# KiCad board ui.kicad_pcb (continued)
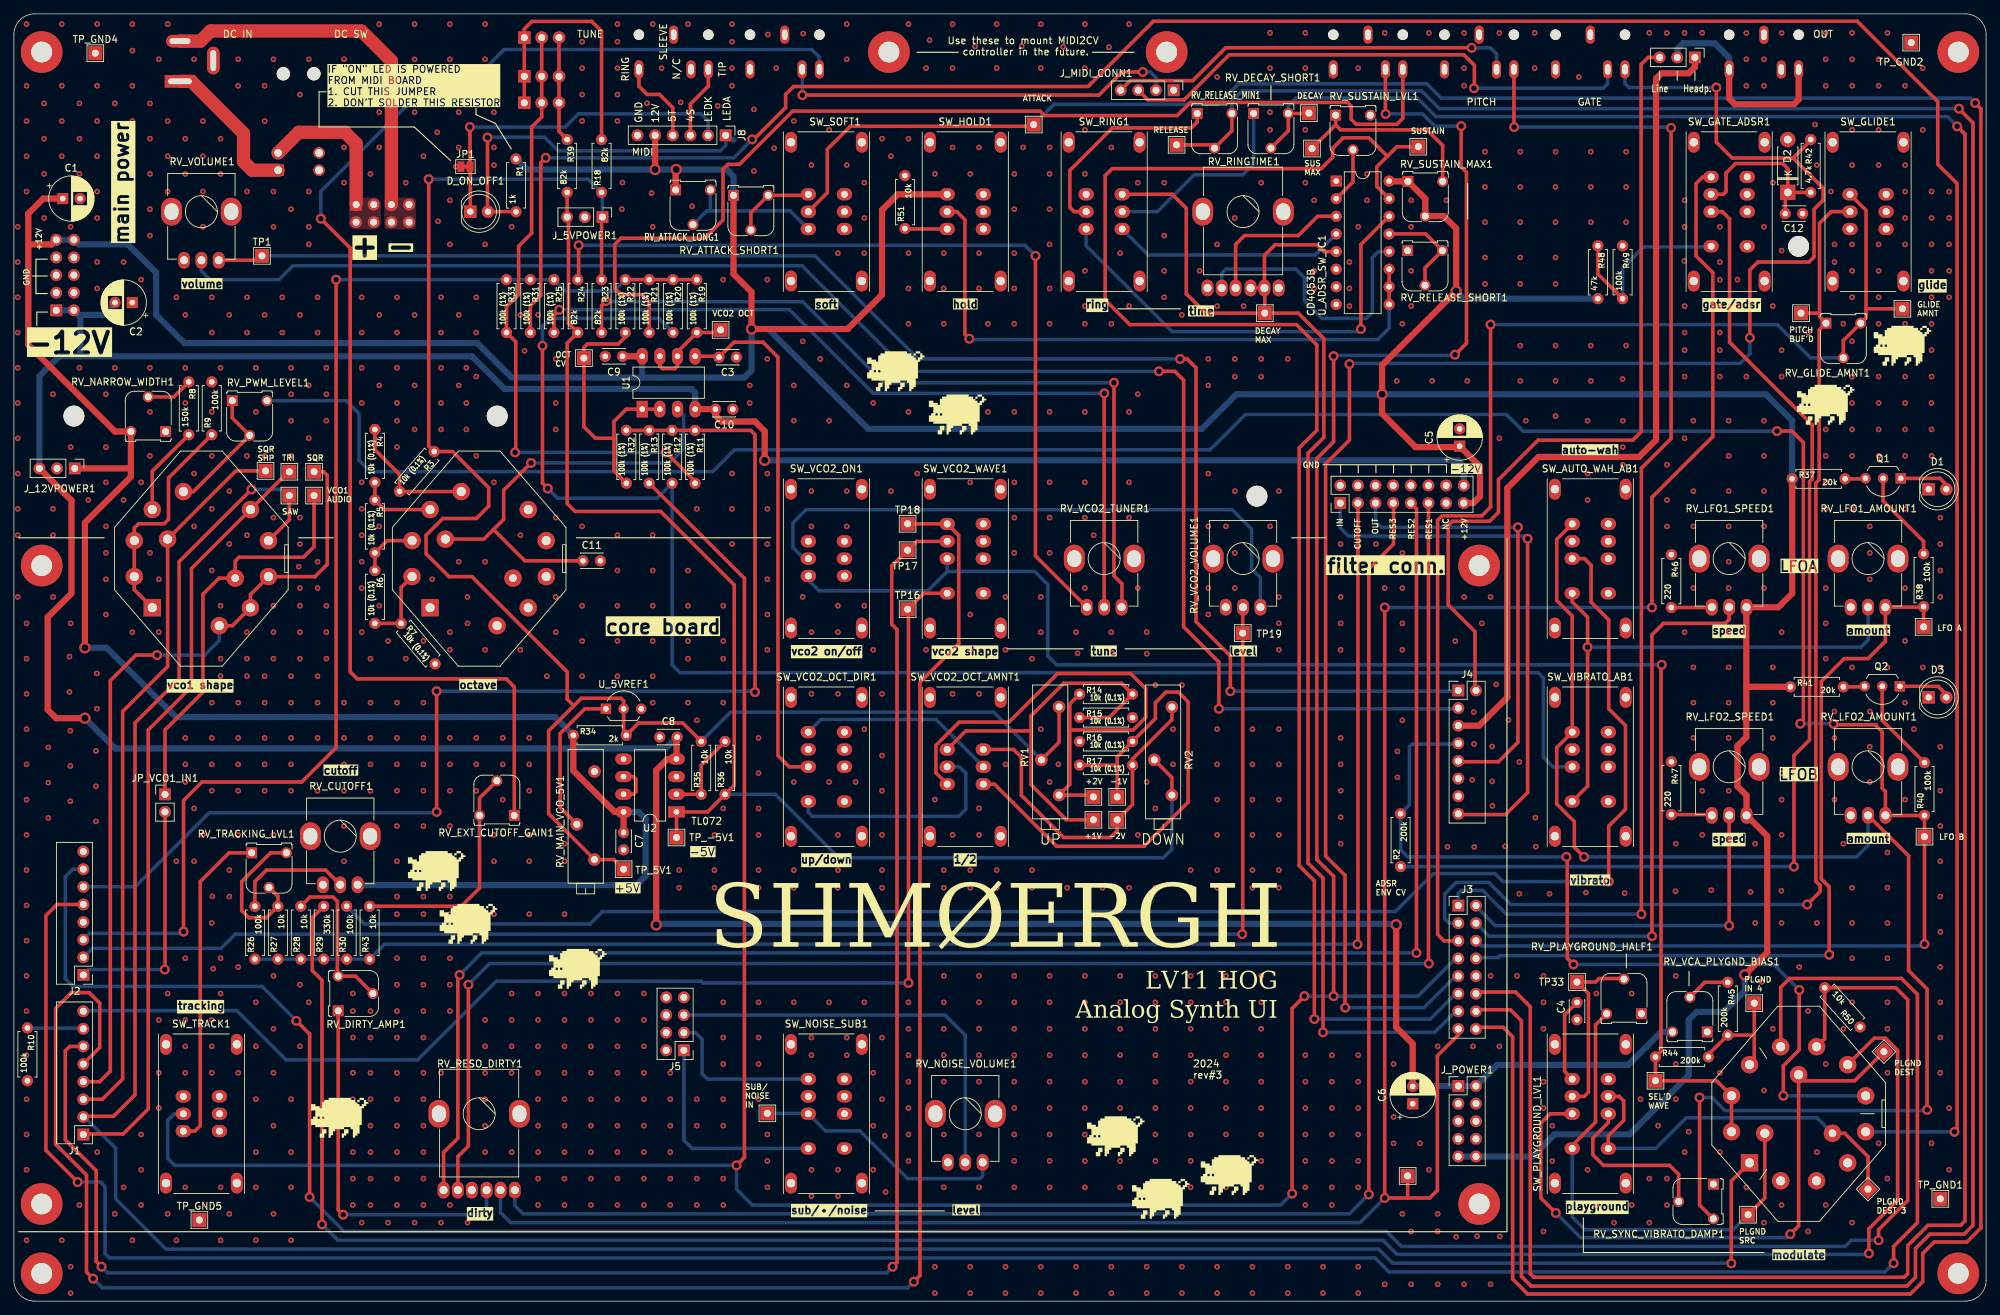
[diagram p0: board, top side]
## Routing (per net, layer and track width the routed paths; a pad name or vN(x,y) marks a point on that pad's centre or on a via; arc(x,y) is an arc through that point) (continued)
-5V: length 200.1
  Top w0.508: R39.2 J_5VPOWER1.3 79.86,156.03 79.86,140.91 R24.2 79.67,138.06 79.67,114.94 80.81,113.8 93.13,113.8 103.74,103.19 103.74,74.37 R36.1 99.87,70.5 U2.1 95.42,70.49 TP_-5V1.1 ; RV2.2 166.75,75.46 RV2.3
  Bottom w0.508: RV2.3 166.75,65.12 165.52,63.89 118.79,63.89 109.64,73.03 R36.1
-12V: length 582.2
  Top w0.889: v1(92.5,54.22) 92.5,76.5 94.12,78.12 U2.4 95.41,81.19 C8.2 ; v1(199.05,54.24) 199.05,39.46 201.43,37.09 C6.2 ; J_12VPOWER1.3 8.3,115.38 8.3,101.99 4.87,98.56 4.87,85.22 6.09,84 v1(10.23,84) ; v1(108.12,121.16) 108.12,125.36 106.72,126.75 101.9,126.75 101.03,127.62 C10.2 101.02,128.54 U1.4
  Bottom w0.889: v1(108.12,121.16) 207.94,121.16 208.78,120.33 J_FILTER_CONN1.16 ; J_12VPOWER1.3 3.68,133.31 6.52,136.15 9.57,136.15 ; J_MAIN_POWER1.2 9.3,142.12 12.78,142.12 C2.2 ; J_MAIN_POWER1.2 J_MAIN_POWER1.1 ; J_MAIN_POWER1.2 9.57,141.85 9.57,136.15 ; 9.57,136.15 65.95,136.15 70.65,131.45 97.58,131.45 98.1,130.93 U1.4 ; C6.2 201.49,31 J_POWER1.1 J_POWER1.2 213.58,34.04 232.45,34.04 237.2,38.79 RV_VCA_PLYGND_BIAS1.3 ; v1(10.23,84) 14.58,79.65 93.86,79.65 C8.2 ; v1(199.05,54.24) 198.92,54.36 92.64,54.36 v1(92.5,54.22)
/Power/12VDC_SW_NEG: length 53.5
  Top w1.905: J6.2 26.86,181.57 28.33,183.04 50.04,183.04 54.36,178.72 J9.5
/Power/12VDC_SW_POS: length 22
  Top w1.905: S1.2 41.02,168.43 47.66,168.43 49.28,166.82 J9.1
  Bottom w1.905: S1.2 38,165.52
/Power/12VDC_WALLWART: length 21.8
  Top w1.905: S1.1 34.31,162.97 33.06,164.22 33.06,168.28 25.57,175.78 J6.1
GND:
  vias: v2(0.55,154.82) v2(0.55,149.74) v2(0.55,144.66) v2(0.55,139.58) v2(0.55,134.5) v2(0.55,129.42) v2(0.55,124.34) v2(0.55,119.26) v2(0.55,114.18) v2(0.55,110.37) v2(0.55,101.48) v2(1.82,184.03) v2(1.82,175.14) v2(1.82,170.06) v2(1.82,164.98) v2(1.82,159.9) v2(1.82,97.67) v2(1.82,92.59) v2(1.82,87.51) v2(1.82,82.43) v2(1.82,77.35) v2(1.82,72.27) v2(1.82,67.19) v2(1.82,62.11) v2(1.82,57.03) v2(1.82,51.95) v2(1.82,46.87) v2(1.82,41.79) v2(1.82,35.44) v2(1.82,29.09) v2(1.82,24.01) v2(1.82,18.93) v2(1.82,8.77) v2(4.36,172.6) v2(4.36,167.52) v2(4.36,162.44) v2(4.36,156.09) v2(4.96,79.79) v2(4.96,74.71) v2(4.96,69.63) v2(5.63,130.69) v2(5.63,114.18) v2(5.63,110.37) v2(5.63,101.48) v2(6.9,184.03) v2(6.9,175.14) v2(6.9,170.06) v2(6.9,164.98) v2(6.9,8.77) v2(8.01,92.87) v2(8.01,87.79) v2(8.13,82.2) v2(8.13,77.12) v2(8.13,72.04) v2(8.17,154.82) v2(8.17,123.07) v2(8.17,97.67) v2(8.17,4.96) v2(8.17,1.15) v2(9.44,172.6) v2(9.44,167.52) v2(9.44,162.44) v2(9.44,134.5) v2(9.44,13.85) v2(10.71,115.45) v2(11.81,79.28) v2(11.81,74.2) v2(11.81,69.12) v2(11.94,90.46) v2(11.94,85.38) v2(11.98,184.03) v2(11.98,175.14) v2(11.98,170.06) v2(11.98,164.98) v2(11.98,159.9) v2(11.98,156.09) v2(11.98,149.74) v2(11.98,145.93) v2(11.98,21.47) v2(13.25,130.69) v2(13.25,123.07) v2(13.25,117.99) v2(13.25,111.64) v2(13.25,107.83) v2(13.25,104.02) v2(13.25,98.94) v2(14.52,172.6) v2(14.52,167.52) v2(14.52,162.44) v2(14.52,157.36) v2(14.52,134.5) v2(14.52,12.58) v2(15.79,149.74) v2(15.79,115.45) v2(15.79,16.39) v2(17.06,184.03) v2(17.06,180.22) v2(17.06,175.14) v2(17.06,170.06) v2(17.06,164.98) v2(17.06,159.9) v2(17.06,96.4) v2(17.06,8.77) v2(18.33,147.2) v2(18.33,117.99) v2(18.33,24.01) v2(18.33,18.93) v2(18.33,13.85) v2(19.6,172.6) v2(19.6,167.52) v2(19.6,162.44) v2(19.6,157.36) v2(19.6,153.55) v2(19.6,134.5) v2(19.6,128.15) v2(19.6,121.8) v2(19.6,107.83) v2(20.87,178.95) v2(20.87,104.02) v2(20.87,96.4) v2(20.87,40.52) v2(20.87,32.9) v2(20.87,27.82) v2(22.14,184.03) v2(22.14,170.06) v2(22.14,164.98) v2(22.14,159.9) v2(22.14,44.33) v2(22.14,12.58) v2(23.41,144.66) v2(23.41,63.38) v2(23.41,8.77) v2(24.68,167.52) v2(24.68,162.44) v2(24.68,142.12) v2(24.68,134.5) v2(24.68,129.42) v2(24.68,81.16) v2(24.68,77.35) v2(24.68,74.81) v2(24.68,49.41) v2(24.68,40.52) v2(24.68,36.71) v2(24.68,32.9) v2(24.68,16.39) v2(25.95,178.95) v2(25.95,119.26) v2(25.95,111.64) v2(25.95,71) v2(25.95,63.38) v2(27.22,170.06) v2(27.22,164.98) v2(27.22,159.9) v2(27.22,154.82) v2(27.22,67.19) v2(28.49,144.66) v2(28.49,139.58) v2(28.49,128.15) v2(28.49,121.8) v2(28.49,114.18) v2(28.49,105.29) v2(28.49,86.24) v2(28.49,81.16) v2(28.49,77.35) v2(28.49,73.54) v2(28.49,54.49) v2(28.49,40.52) v2(28.49,36.71) v2(28.49,32.9) v2(28.58,58.32) v2(28.71,47.91) v2(29.76,167.52) v2(29.76,162.44) v2(29.76,134.5) v2(29.76,100.21) v2(29.76,92.59) v2(29.76,90.05) v2(29.76,49.41) v2(29.76,44.33) v2(29.76,16.39) v2(29.76,8.77) v2(31.03,142.12) v2(31.03,116.72) v2(31.03,109.1) v2(31.03,62.11) v2(31.03,58.3) v2(31.03,12.58) v2(32.3,178.95) v2(32.3,175.14) v2(32.3,86.24) v2(32.3,81.16) v2(32.3,77.35) v2(32.3,73.54) v2(32.3,67.19) v2(32.3,48.14) v2(32.3,32.9) v2(33.57,159.9) v2(33.57,144.66) v2(33.57,139.58) v2(33.57,121.8) v2(33.57,110.37) v2(33.57,96.4) v2(33.57,92.59) v2(33.57,90.05) v2(34.84,134.5) v2(34.84,128.15) v2(34.84,43.06) v2(34.84,36.71) v2(34.84,29.09) v2(34.84,21.47) v2(34.84,16.39) v2(34.84,8.77) v2(36.11,175.14) v2(36.11,170.06) v2(36.11,142.12) v2(36.11,121.8) v2(36.11,90.05) v2(36.11,86.24) v2(36.11,81.16) v2(36.11,77.35) v2(36.11,73.54) v2(37.38,178.95) v2(37.38,159.9) v2(37.38,154.82) v2(37.38,112.91) v2(37.38,100.21) v2(37.38,96.4) v2(37.38,92.59) v2(37.38,67.19) v2(37.38,46.87) v2(37.38,39.25) v2(37.38,32.9) v2(37.38,25.28) v2(37.38,12.58) v2(38.65,144.66) v2(38.65,139.58) v2(39.92,157.36) v2(39.92,134.5) v2(39.92,130.69) v2(39.92,126.88) v2(39.92,121.8) v2(39.92,90.05) v2(39.92,86.24) v2(39.92,81.16) v2(39.92,77.35) v2(39.92,73.54) v2(39.92,29.09) v2(39.92,21.47) v2(39.92,16.39) v2(39.92,8.77) v2(41.01,105.84) v2(41.19,173.87) v2(41.19,142.12) v2(41.19,112.91) v2(41.19,109.1) v2(41.19,102.75) v2(41.19,100.21) v2(41.19,96.4) v2(41.19,92.59) v2(41.19,45.6) v2(41.19,36.71) v2(42.46,178.95) v2(42.46,159.9) v2(42.46,154.82) v2(42.46,152.28) v2(42.46,131.96) v2(42.46,124.34) v2(42.46,43.06) v2(43.73,144.66) v2(43.73,139.58) v2(43.73,106.56) v2(43.73,102.75) v2(43.73,90.05) v2(43.73,86.24) v2(43.73,81.16) v2(43.73,73.54) v2(45,134.5) v2(45,130.69) v2(45,126.88) v2(45,100.21) v2(45,96.4) v2(45,92.59) v2(46.27,173.87) v2(47.54,178.95) v2(47.54,166.25) v2(47.54,161.17) v2(47.54,86.24) v2(47.54,81.16) v2(47.54,77.35) v2(47.54,73.54) v2(47.54,68.46) v2(47.54,63.38) v2(48.81,44.33) v2(48.81,41.79) v2(48.81,37.98) v2(48.81,32.9) v2(48.81,29.09) v2(48.81,25.28) v2(48.81,21.47) v2(48.81,17.66) v2(48.81,13.85) v2(50.08,144.66) v2(50.08,139.58) v2(50.08,134.5) v2(50.08,129.42) v2(50.08,117.99) v2(50.08,114.18) v2(50.08,110.37) v2(50.08,106.56) v2(50.08,102.75) v2(50.08,96.4) v2(50.08,11.31) v2(51.35,162.44) v2(51.35,92.59) v2(51.35,86.24) v2(51.35,81.16) v2(51.35,77.35) v2(51.35,73.54) v2(51.35,41.79) v2(51.35,37.98) v2(51.35,32.9) v2(51.35,29.09) v2(51.35,25.28) v2(51.35,21.47) v2(51.35,17.66) v2(51.35,13.85) v2(52.62,184.03) v2(52.62,171.33) v2(52.62,166.25) v2(52.62,142.12) v2(52.62,131.96) v2(52.62,111.64) v2(52.62,100.21) v2(53.89,95.13) v2(53.89,11.31) v2(55.16,144.66) v2(55.16,139.58) v2(55.16,134.5) v2(55.16,129.42) v2(55.16,126.88) v2(55.16,123.07) v2(55.16,86.24) v2(55.16,81.16) v2(55.16,77.35) v2(55.16,73.54) v2(55.16,68.46) v2(55.16,63.38) v2(55.16,58.3) v2(55.16,55.76) v2(55.16,49.41) v2(55.16,45.6) v2(55.16,41.79) v2(55.16,37.98) v2(55.16,32.9) v2(55.16,29.09) v2(55.16,25.28) v2(55.16,21.47) v2(55.16,17.66) v2(55.16,13.85) v2(56.43,161.17) v2(56.43,92.59) v2(57.7,184.03) v2(57.7,178.95) v2(57.7,171.33) v2(57.7,142.12) v2(57.7,131.96) v2(57.7,125.61) v2(57.7,11.31) v2(58.97,164.98) v2(58.97,95.13) v2(58.97,86.24) v2(58.97,81.16) v2(58.97,77.35) v2(58.97,73.54) v2(58.97,68.46) v2(58.97,63.38) v2(58.97,58.3) v2(58.97,55.76) v2(58.97,49.41) v2(58.97,45.6) v2(58.97,41.79) v2(58.97,37.98) v2(58.97,32.9) v2(58.97,29.09) v2(58.97,25.28) v2(58.97,21.47) v2(58.97,17.66) v2(58.97,13.85) v2(60.24,104.02) v2(60.58,175.29) v2(60.96,168.43) v2(61.09,155.61) v2(61.51,144.66) v2(61.51,139.58) v2(61.51,134.5) v2(61.51,129.42) v2(61.51,125.61) v2(61.51,32.9) v2(61.51,11.31) v2(62.78,184.03) v2(62.78,178.95) v2(62.78,158.63) v2(62.78,152.28) v2(62.78,96.4) v2(62.78,93.86) v2(62.78,81.16) v2(62.78,77.35) v2(62.78,73.54) v2(62.78,68.46) v2(62.78,63.38) v2(62.78,58.3) v2(62.78,55.76) v2(62.78,49.41) v2(62.78,45.6) v2(62.78,41.79) v2(62.78,13.85) v2(63.63,163.48) v2(64.05,171.33) v2(64.05,166.25) v2(64.05,142.12) v2(64.05,131.96) v2(64.05,106.56) v2(65.16,134.5) v2(65.16,129.42) v2(65.16,125.61) v2(65.32,101.48) v2(65.32,97.67) v2(65.32,11.31) v2(66.59,144.66) v2(66.59,139.58) v2(66.59,133.23) v2(66.59,121.8) v2(66.59,81.16) v2(66.59,77.35) v2(66.59,73.54) v2(67.86,184.03) v2(67.86,178.95) v2(67.86,152.28) v2(67.86,106.56) v2(67.86,93.86) v2(67.86,40.52) v2(67.86,36.71) v2(67.86,32.9) v2(67.86,29.09) v2(67.86,25.28) v2(67.86,21.47) v2(69.13,171.33) v2(69.13,166.25) v2(69.13,163.71) v2(69.13,117.99) v2(69.13,67.19) v2(69.13,63.38) v2(69.13,55.76) v2(70.4,81.16) v2(70.4,77.35) v2(70.4,72.27) v2(71.67,154.82) v2(71.67,44.33) v2(71.67,40.52) v2(71.67,36.71) v2(71.67,32.9) v2(71.67,21.47) v2(72.94,142.12) v2(72.94,110.37) v2(72.94,93.86) v2(73.54,136.94) v2(74.21,81.16) v2(74.21,77.35) v2(74.21,73.54) v2(74.21,67.19) v2(74.21,63.38) v2(74.21,55.76) v2(75.48,142.12) v2(75.48,44.33) v2(75.48,40.52) v2(75.48,36.71) v2(75.48,32.9) v2(75.48,29.09) v2(75.48,25.28) v2(75.48,21.47) v2(75.48,17.66) v2(75.48,13.85) v2(76.75,90.05) v2(78.02,135.77) v2(78.02,129.42) v2(78.02,125.61) v2(78.02,112.91) v2(78.02,101.48) v2(78.02,96.4) v2(79.29,65.92) v2(79.29,63.38) v2(79.29,55.76) v2(79.29,44.33) v2(79.29,40.52) v2(79.29,36.71) v2(79.29,32.9) v2(79.29,29.09) v2(79.29,25.28) v2(79.29,21.47) v2(79.29,17.66) v2(79.29,13.85) v2(81.83,181.49) v2(81.83,177.68) v2(81.83,173.87) v2(81.83,170.06) v2(81.83,111.64) v2(81.83,100.21) v2(81.83,95.13) v2(81.83,90.05) v2(83.1,44.33) v2(83.1,40.52) v2(83.1,36.71) v2(83.1,32.9) v2(83.1,29.09) v2(83.1,25.28) v2(83.1,21.47) v2(83.1,17.66) v2(83.1,13.85) v2(86.91,184.03) v2(86.91,181.49) v2(86.91,177.68) v2(86.91,173.87) v2(86.91,170.06) v2(86.91,110.37) v2(86.91,105.29) v2(86.91,100.21) v2(86.91,95.13) v2(86.91,90.05) v2(86.91,44.33) v2(86.91,40.52) v2(86.91,36.71) v2(86.91,32.9) v2(86.91,29.09) v2(86.91,25.28) v2(86.91,21.47) v2(86.91,17.66) v2(86.91,13.85) v2(87.55,157.36) v2(87.63,161.19) v2(90.72,44.33) v2(90.72,40.52) v2(90.72,36.71) v2(90.72,32.9) v2(90.72,29.09) v2(90.72,25.28) v2(90.72,21.47) v2(90.72,17.66) v2(90.72,13.85) v2(91.19,172.62) v2(91.83,159.67) v2(91.99,184.03) v2(91.99,154.82) v2(91.99,110.37) v2(91.99,105.29) v2(91.99,100.21) v2(91.99,95.13) v2(91.99,90.05) v2(91.99,86.24) v2(93.26,177.68) v2(94.53,32.9) v2(94.53,29.09) v2(94.53,25.28) v2(94.53,21.47) v2(94.53,17.66) v2(94.53,13.85) v2(95.8,62.11) v2(95.8,59.57) v2(96.02,172.75) v2(97.07,184.03) v2(97.07,105.29) v2(97.07,100.21) v2(97.07,95.13) v2(97.07,92.59) v2(97.07,86.24) v2(97.67,157.77) v2(98.34,114.18) v2(98.34,83.7) v2(98.34,29.09) v2(98.34,25.28) v2(98.34,17.66) v2(98.34,13.85) v2(100.88,67.19) v2(100.88,62.11) v2(100.88,59.57) v2(101.35,172.24) v2(102.15,147.2) v2(102.15,100.21) v2(102.15,95.13) v2(102.15,92.59) v2(102.15,86.24) v2(102.15,71) v2(102.15,43.06) v2(102.15,37.98) v2(102.15,34.17) v2(102.15,29.09) v2(102.15,25.28) v2(102.15,17.66) v2(102.15,13.85) v2(103.42,184.03) v2(103.42,181.49) v2(103.42,177.68) v2(103.42,175.14) v2(103.42,119.26) v2(103.42,114.18) v2(103.42,109.1) v2(105.96,131.96) v2(105.96,129.42) v2(106.56,171.74) v2(106.56,162.85) v2(107.23,81.16) v2(107.23,76.08) v2(107.23,71) v2(107.23,67.19) v2(107.23,62.11) v2(107.23,59.57) v2(107.23,43.06) v2(107.23,37.98) v2(107.23,34.17) v2(107.23,29.09) v2(108.5,147.2) v2(108.5,135.77) v2(108.5,119.26) v2(108.5,114.18) v2(108.5,109.1) v2(108.5,104.02) v2(108.5,98.94) v2(108.5,93.86) v2(108.5,24.01) v2(108.5,20.2) v2(108.5,16.39) v2(108.59,182.53) v2(109.48,166.15) v2(109.77,177.68) v2(112.31,170.06) v2(112.31,131.96) v2(112.31,126.88) v2(112.31,74.81) v2(112.31,62.11) v2(112.31,59.57) v2(112.31,43.06) v2(113.58,138.31) v2(113.58,101.48) v2(113.67,182.66) v2(114.85,163.71) v2(114.85,116.72) v2(114.85,111.64) v2(114.85,96.4) v2(114.85,87.51) v2(114.85,37.98) v2(114.85,35.44) v2(114.85,18.93) v2(114.85,15.12) v2(116.12,135.77) v2(117.39,168.79) v2(117.39,126.88) v2(117.39,74.81) v2(117.39,43.06) v2(118.66,151.01) v2(118.66,100.21) v2(118.66,96.4) v2(118.66,87.51) v2(118.66,67.19) v2(118.66,62.11) v2(118.66,59.57) v2(118.66,18.93) v2(118.66,15.12) v2(119.93,184.03) v2(119.93,178.95) v2(119.93,163.71) v2(119.93,131.96) v2(119.93,116.72) v2(119.93,111.64) v2(119.93,37.98) v2(119.93,35.44) v2(121.2,74.81) v2(122.47,161.17) v2(122.47,156.09) v2(122.47,151.01) v2(122.47,100.21) v2(122.47,82.43) v2(122.47,43.06) v2(123.74,129.42) v2(123.74,93.86) v2(123.74,32.9) v2(123.74,25.28) v2(123.74,18.93) v2(125.01,167.52) v2(125.01,87.51) v2(125.01,78.62) v2(125.01,73.54) v2(125.01,67.19) v2(125.01,62.11) v2(125.01,59.57) v2(125.01,37.98) v2(125.01,29.09) v2(125.41,23.82) v2(125.52,15.72) v2(126.28,164.98) v2(126.28,116.72) v2(128.82,184.03) v2(128.82,167.52) v2(128.82,151.01) v2(128.82,145.93) v2(128.82,140.85) v2(128.82,128.15) v2(128.82,43.06) v2(128.82,39.25) v2(128.82,35.44) v2(128.82,31.63) v2(128.82,27.82) v2(128.82,24.01) v2(128.82,20.2) v2(130.09,119.26) v2(131.36,177.68) v2(131.36,93.86) v2(131.86,181.7) v2(132.63,162.44) v2(132.63,72.27) v2(132.63,4.96) v2(132.63,1.15) v2(133.9,151.01) v2(133.9,145.93) v2(133.9,140.85) v2(133.9,62.11) v2(133.9,59.57) v2(133.9,46.87) v2(133.9,43.06) v2(133.9,39.25) v2(133.9,35.44) v2(133.9,31.63) v2(133.9,24.01) v2(133.9,16.39) v2(135.17,184.03) v2(135.17,177.68) v2(135.17,166.25) v2(135.17,128.15) v2(135.17,87.51) v2(135.17,67.19) v2(137.71,162.44) v2(137.71,117.99) v2(137.71,98.94) v2(137.71,93.86) v2(137.71,62.11) v2(137.71,59.57) v2(137.71,4.96) v2(137.71,1.15) v2(138.41,180.8) v2(138.98,166.25) v2(138.98,151.01) v2(138.98,145.93) v2(138.98,87.51) v2(138.98,71) v2(138.98,67.19) v2(138.98,46.87) v2(138.98,43.06) v2(138.98,39.25) v2(138.98,35.44) v2(138.98,31.63) v2(138.98,24.01) v2(138.98,16.39) v2(140.25,140.85) v2(140.25,128.15) v2(141.52,184.03) v2(141.52,177.68) v2(141.52,62.11) v2(141.52,59.57) v2(142.79,101.48) v2(142.79,93.86) v2(142.79,77.35) v2(142.79,4.96) v2(142.79,1.15) v2(144.06,162.44) v2(144.06,157.36) v2(144.06,151.01) v2(144.06,145.93) v2(144.06,140.85) v2(144.06,128.15) v2(144.06,117.99) v2(144.06,112.91) v2(144.06,107.83) v2(144.06,46.87) v2(144.06,43.06) v2(144.06,39.25) v2(144.06,35.44) v2(144.06,31.63) v2(144.06,27.82) v2(144.06,24.01) v2(144.06,20.2) v2(144.06,16.39) v2(145.13,180.85) v2(145.33,166.25) v2(146.6,92.59) v2(146.6,62.11) v2(146.6,59.57) v2(147.87,184.03) v2(147.87,177.68) v2(147.87,101.48) v2(147.87,96.4) v2(147.87,82.43) v2(147.87,4.96) v2(147.87,1.15) v2(149.14,166.25) v2(149.14,162.44) v2(149.14,157.36) v2(149.14,152.28) v2(149.14,145.93) v2(149.14,140.85) v2(149.14,128.15) v2(149.14,117.99) v2(149.14,112.91) v2(149.14,107.83) v2(149.14,74.81) v2(149.14,46.87) v2(149.14,43.06) v2(149.14,39.25) v2(149.14,35.44) v2(149.14,31.63) v2(149.14,27.82) v2(149.14,24.01) v2(149.14,20.2) v2(149.14,16.39) v2(150.41,77.35) v2(151.09,180.75) v2(151.68,59.57) v2(152.95,96.4) v2(152.95,4.96) v2(152.95,1.15) v2(153.17,93.34) v2(154.22,184.03) v2(154.22,177.68) v2(154.22,168.79) v2(154.22,162.44) v2(154.22,148.47) v2(154.22,143.39) v2(154.22,140.85) v2(154.22,128.15) v2(154.22,117.99) v2(154.22,112.91) v2(154.22,102.75) v2(154.22,46.87) v2(154.22,43.06) v2(154.22,39.25) v2(154.22,35.44) v2(154.22,31.63) v2(154.22,27.82) v2(154.22,24.01) v2(154.22,20.2) v2(154.22,16.39) v2(155.49,110.37) v2(156.76,59.57) v2(157.68,180.69) v2(158.03,166.25) v2(158.03,140.85) v2(158.03,96.4) v2(158.03,4.96) v2(158.03,1.15) v2(158.18,93.4) v2(159.3,151.01) v2(159.3,46.87) v2(159.3,43.06) v2(159.3,39.25) v2(159.3,35.44) v2(159.3,31.63) v2(159.3,27.82) v2(159.3,24.01) v2(159.3,20.2) v2(159.3,16.39) v2(160.57,184.03) v2(160.57,143.39) v2(160.57,128.15) v2(160.57,117.99) v2(160.57,112.91) v2(160.57,59.57) v2(161.84,161.17) v2(161.84,130.69) v2(161.84,102.75) v2(161.84,67.19) v2(163.11,96.4) v2(163.14,93.29) v2(163.11,74.81) v2(163.11,4.96) v2(163.11,1.15) v2(164.38,88.78) v2(164.38,71) v2(164.38,59.57) v2(164.38,46.87) v2(164.38,43.06) v2(164.38,39.25) v2(164.38,35.44) v2(164.38,31.63) v2(164.38,27.82) v2(164.38,24.01) v2(164.38,20.2) v2(164.38,16.39) v2(165.65,161.17) v2(165.65,153.55) v2(165.65,148.47) v2(165.65,144.66) v2(166.92,82.43) v2(166.92,77.35) v2(168.19,142.12) v2(168.19,88.78) v2(168.19,4.96) v2(168.19,1.15) v2(169.46,62.11) v2(169.46,59.57) v2(169.46,46.87) v2(169.46,43.06) v2(169.46,39.25) v2(169.46,35.44) v2(169.46,31.63) v2(169.46,27.82) v2(169.46,24.01) v2(169.46,20.2) v2(169.46,16.39) v2(170.73,148.47) v2(172,135.77) v2(172,131.96) v2(172,119.26) v2(172,111.64) v2(172,102.75) v2(172,98.94) v2(173.27,176.41) v2(173.27,152.28) v2(173.27,143.39) v2(173.27,82.43) v2(173.27,77.35) v2(173.27,72.27) v2(173.27,67.19) v2(173.27,62.11) v2(173.27,59.57) v2(173.27,4.96) v2(173.27,1.15) v2(174.54,111.64) v2(174.54,46.87) v2(174.54,43.06) v2(174.54,39.25) v2(174.54,35.44) v2(174.54,31.63) v2(174.54,27.82) v2(174.54,24.01) v2(174.54,20.2) v2(174.54,16.39) v2(175.81,156.09) v2(175.81,135.77) v2(175.81,133.23) v2(175.81,116.72) v2(175.81,107.83) v2(175.81,102.75) v2(177.08,143.39) v2(178.35,82.43) v2(178.35,77.35) v2(178.35,72.27) v2(178.35,67.19) v2(178.35,62.11) v2(178.35,59.57) v2(178.35,4.96) v2(178.35,1.15) v2(179.62,161.17) v2(179.62,135.77) v2(179.62,133.23) v2(179.62,46.87) v2(179.62,43.06) v2(179.62,39.25) v2(179.62,35.44) v2(179.62,31.63) v2(179.62,27.82) v2(179.62,24.01) v2(179.62,20.2) v2(179.62,16.39) v2(180.89,182.76) v2(180.89,177.68) v2(180.89,171.33) v2(180.89,168.79) v2(180.89,111.64) v2(182.16,116.72) v2(182.16,101.48) v2(182.16,97.67) v2(182.16,93.86) v2(182.16,82.43) v2(182.16,77.35) v2(182.16,72.27) v2(182.16,67.19) v2(182.16,62.11) v2(182.16,59.57) v2(183.43,135.77) v2(183.43,4.96) v2(183.43,1.15) v2(185.97,182.76) v2(185.97,177.68) v2(185.97,168.79) v2(185.97,161.17) v2(185.97,35.44) v2(185.97,31.63) v2(185.97,27.82) v2(185.97,24.01) v2(185.97,20.2) v2(185.97,16.39) v2(185.97,13.85) v2(187.24,158.63) v2(187.24,148.47) v2(187.24,145.93) v2(188.51,4.96) v2(188.51,1.15) v2(189.78,35.44) v2(189.78,31.63) v2(189.78,27.82) v2(189.78,24.01) v2(189.78,20.2) v2(189.78,16.39) v2(189.78,13.85) v2(191.05,109.1) v2(191.05,105.29) v2(191.05,101.48) v2(191.05,97.67) v2(191.05,93.86) v2(191.05,81.16) v2(191.05,77.35) v2(191.05,73.54) v2(191.05,69.73) v2(191.05,65.92) v2(192.32,149.74) v2(192.32,145.93) v2(192.32,143.39) v2(193.59,177.68) v2(193.59,154.82) v2(193.59,35.44) v2(193.59,31.63) v2(193.59,27.82) v2(193.59,24.01) v2(193.59,20.2) v2(193.59,16.39) v2(193.59,4.96) v2(193.59,1.15) v2(194.86,162.44) v2(194.86,158.63) v2(196.13,109.1) v2(197.4,182.76) v2(197.4,102.75) v2(197.4,2.42) v2(198.67,34.17) v2(198.67,30.36) v2(198.67,26.55) v2(198.67,22.74) v2(199.14,132.62) v2(199.24,79.23) v2(199.24,75.48) v2(199.94,140.85) v2(199.94,107.83) v2(199.94,102.75) v2(199.94,97.67) v2(199.94,93.86) v2(199.94,83.7) v2(199.94,12.58) v2(201.21,158.63) v2(201.21,154.82) v2(201.21,148.47) v2(201.21,143.39) v2(201.21,10.04) v2(201.21,2.42) v2(202.48,22.74) v2(203.75,182.76) v2(203.75,18.93) v2(204.22,132.62) v2(205.02,36.71) v2(205.02,12.58) v2(205.02,10.04) v2(205.02,2.42) v2(206.29,158.63) v2(206.44,65.47) v2(207.56,95.13) v2(207.69,9.27) v2(208.83,182.76) v2(208.83,177.68) v2(208.83,175.14) v2(208.83,101.48) v2(208.83,2.42) v2(209.3,132.62) v2(210,75.12) v2(210.1,36.71) v2(210.22,84.89) v2(210.25,80.28) v2(210.29,65.44) v2(210.71,9.34) v2(211.37,97.67) v2(211.84,165.64) v2(211.84,160.56) v2(211.84,155.48) v2(211.84,150.4) v2(211.84,146.59) v2(212.64,101.48) v2(212.64,46.87) v2(212.64,2.42) v2(212.87,79.93) v2(212.87,74.89) v2(212.91,71.37) v2(213.46,88.88) v2(213.91,182.76) v2(213.91,124.34) v2(213.91,36.71) v2(213.95,9.32) v2(214.73,65.55) v2(215.22,83.76) v2(216.45,46.87) v2(216.78,77.7) v2(216.78,58.71) v2(216.92,165.64) v2(216.92,160.56) v2(216.92,155.48) v2(216.92,150.4) v2(216.92,146.59) v2(216.92,137.7) v2(216.92,132.62) v2(217.72,126.88) v2(218.99,182.76) v2(218.99,177.68) v2(219.1,69.67) v2(219.15,65.49) v2(220.26,46.87) v2(220.26,43.06) v2(220.26,39.25) v2(220.26,31.63) v2(220.26,27.82) v2(220.26,10.04) v2(221.14,58.71) v2(221.53,25.28) v2(221.53,20.2) v2(222,165.64) v2(222,160.56) v2(222,155.48) v2(222,150.4) v2(222,146.59) v2(222,137.7) v2(222,132.62) v2(222,127.54) v2(225.34,176.41) v2(226.37,58.88) v2(226.61,126.88) v2(226.61,123.07) v2(226.61,119.26) v2(226.61,115.45) v2(226.61,18.93) v2(227.08,165.64) v2(227.08,160.56) v2(227.08,155.48) v2(227.08,137.7) v2(227.08,132.62) v2(227.88,44.33) v2(227.88,13.85) v2(230.42,11.31) v2(231.65,132.87) v2(231.69,126.88) v2(231.69,123.07) v2(231.69,120.53) v2(231.95,58.79) v2(232.16,165.64) v2(232.16,160.56) v2(232.16,155.48) v2(232.16,137.7) v2(232.96,44.33) v2(232.96,13.85) v2(234.23,29.09) v2(235.5,182.76) v2(235.5,17.66) v2(235.5,11.31) v2(236.77,25.28) v2(238,182.76) v2(238.04,120.53) v2(238.04,115.45) v2(238.04,111.64) v2(238.04,17.66) v2(238.04,13.85) v2(239.31,65.92) v2(239.27,59.05) v2(239.31,46.87) v2(239.31,34.17) v2(239.31,29.09) v2(240.54,149.89) v2(240.57,182.76) v2(240.58,158.63) v2(240.58,154.82) v2(240.58,143.39) v2(240.58,139.58) v2(240.58,137.04) v2(240.58,133.23) v2(240.58,124.34) v2(240.58,96.4) v2(240.58,21.47) v2(241.18,24.42) v2(241.85,126.88) v2(241.85,116.72) v2(241.85,111.64) v2(241.85,102.75) v2(241.85,91.32) v2(241.85,86.24) v2(241.85,81.16) v2(243.12,182.76) v2(243.12,73.54) v2(243.12,67.19) v2(244.42,59.23) v2(245.66,154.82) v2(245.66,149.74) v2(245.66,147.2) v2(245.66,143.39) v2(245.66,139.58) v2(245.66,137.04) v2(245.66,133.23) v2(245.66,32.9) v2(245.66,21.47) v2(246.93,126.88) v2(246.93,121.8) v2(246.93,116.72) v2(246.93,111.64) v2(246.93,106.56) v2(246.93,102.75) v2(246.93,96.4) v2(246.93,91.32) v2(246.93,86.24) v2(246.93,81.16) v2(246.93,73.54) v2(248.2,147.2) v2(248.2,143.39) v2(249.47,182.76) v2(249.47,178.95) v2(249.47,175.14) v2(249.47,133.23) v2(249.47,16.39) v2(250.08,58.97) v2(250.74,65.92) v2(250.74,54.49) v2(251.72,46.01) v2(252.01,178.95) v2(252.01,175.14) v2(252.01,154.82) v2(252.01,126.88) v2(252.01,121.8) v2(252.01,116.72) v2(252.01,111.64) v2(252.01,102.75) v2(252.01,30.36) v2(252.01,11.31) v2(253.28,161.17) v2(253.28,143.39) v2(253.28,91.32) v2(253.28,86.24) v2(253.28,81.16) v2(253.28,39.25) v2(254.53,59.14) v2(254.55,182.76) v2(254.55,151.39) v2(254.55,137.04) v2(254.55,133.23) v2(254.55,96.4) v2(254.55,76.08) v2(254.55,72.27) v2(254.55,67.19) v2(254.55,54.49) v2(254.55,13.85) v2(257.09,48.14) v2(258.36,139.58) v2(258.36,41.79) v2(258.36,10.04) v2(259.38,169.55) v2(259.63,163.71) v2(259.63,54.49) v2(259.63,21.47) v2(260.9,182.76) v2(260.9,178.95) v2(260.9,175.14) v2(260.9,129.42) v2(260.9,125.61) v2(260.9,121.8) v2(260.9,117.99) v2(260.9,114.18) v2(260.9,102.75) v2(260.9,97.67) v2(260.9,92.59) v2(260.9,34.17) v2(260.9,13.85) v2(261.66,159.9) v2(262.17,152.28) v2(262.17,149.74) v2(262.17,84.97) v2(262.17,81.16) v2(262.17,72.27) v2(263.44,140.85) v2(263.44,65.92) v2(263.44,39.25) v2(264.71,182.76) v2(264.71,178.95) v2(264.71,175.14) v2(264.71,168.79) v2(264.71,163.71) v2(264.71,152.28) v2(264.71,148.47) v2(264.71,144.66) v2(264.71,138.31) v2(264.71,133.23) v2(264.71,129.42) v2(264.71,125.61) v2(264.71,121.8) v2(264.71,114.18) v2(264.71,91.32) v2(264.71,59.57) v2(264.71,54.49) v2(264.71,49.41) v2(264.71,43.06) v2(264.71,11.31) v2(267.25,111.64) v2(267.25,107.83) v2(267.25,104.02) v2(267.25,84.97) v2(267.25,79.89) v2(267.25,74.81) v2(268.52,178.95) v2(268.52,175.14) v2(268.52,168.79) v2(268.52,163.71) v2(268.52,152.28) v2(268.52,148.47) v2(268.52,144.66) v2(268.52,140.85) v2(268.52,137.04) v2(268.52,133.23) v2(268.52,129.42) v2(268.52,125.61) v2(268.52,121.8) v2(268.52,22.74) v2(269.79,182.76) v2(269.79,91.32) v2(269.79,64.65) v2(269.79,59.57) v2(269.79,54.49) v2(269.79,49.41) v2(269.79,43.06) v2(269.79,39.25) v2(269.79,32.9) v2(269.79,17.66) v2(272.33,175.14) v2(272.33,163.71) v2(272.33,159.9) v2(272.33,156.09) v2(272.33,152.28) v2(272.33,140.85) v2(272.33,137.04) v2(272.33,133.23) v2(272.33,129.42) v2(272.33,125.61) v2(272.33,121.8) v2(272.33,114.18) v2(272.33,102.75) v2(272.33,95.13) v2(272.33,86.24) v2(272.33,72.27) v2(273.6,82.43) v2(274.87,177.68) v2(274.87,168.79) v2(274.87,91.32) v2(276.14,159.9) v2(276.14,156.09) v2(276.14,152.28) v2(276.14,148.47) v2(276.14,144.66) v2(276.14,140.85) v2(276.14,137.04) v2(276.14,133.23) v2(276.14,129.42) v2(276.14,125.61) v2(276.14,121.8) v2(276.14,22.74) v2(277.41,112.91) v2(277.41,109.1) v2(277.41,105.29) v2(277.41,101.48) v2(277.41,91.32) v2(277.41,79.89) v2(277.41,73.54) v2(277.41,68.46) v2(277.41,63.38) v2(277.41,58.3) v2(277.41,53.22) v2(277.41,48.14) v2(277.41,43.06) v2(277.41,37.98) v2(277.41,32.9) v2(278.68,159.9) v2(278.68,156.09) v2(278.68,152.28) v2(278.68,148.47) v2(278.68,144.66) v2(278.68,27.82) v2(278.68,18.93)
